# KiCad board q2v2.kicad_pcb (continued)
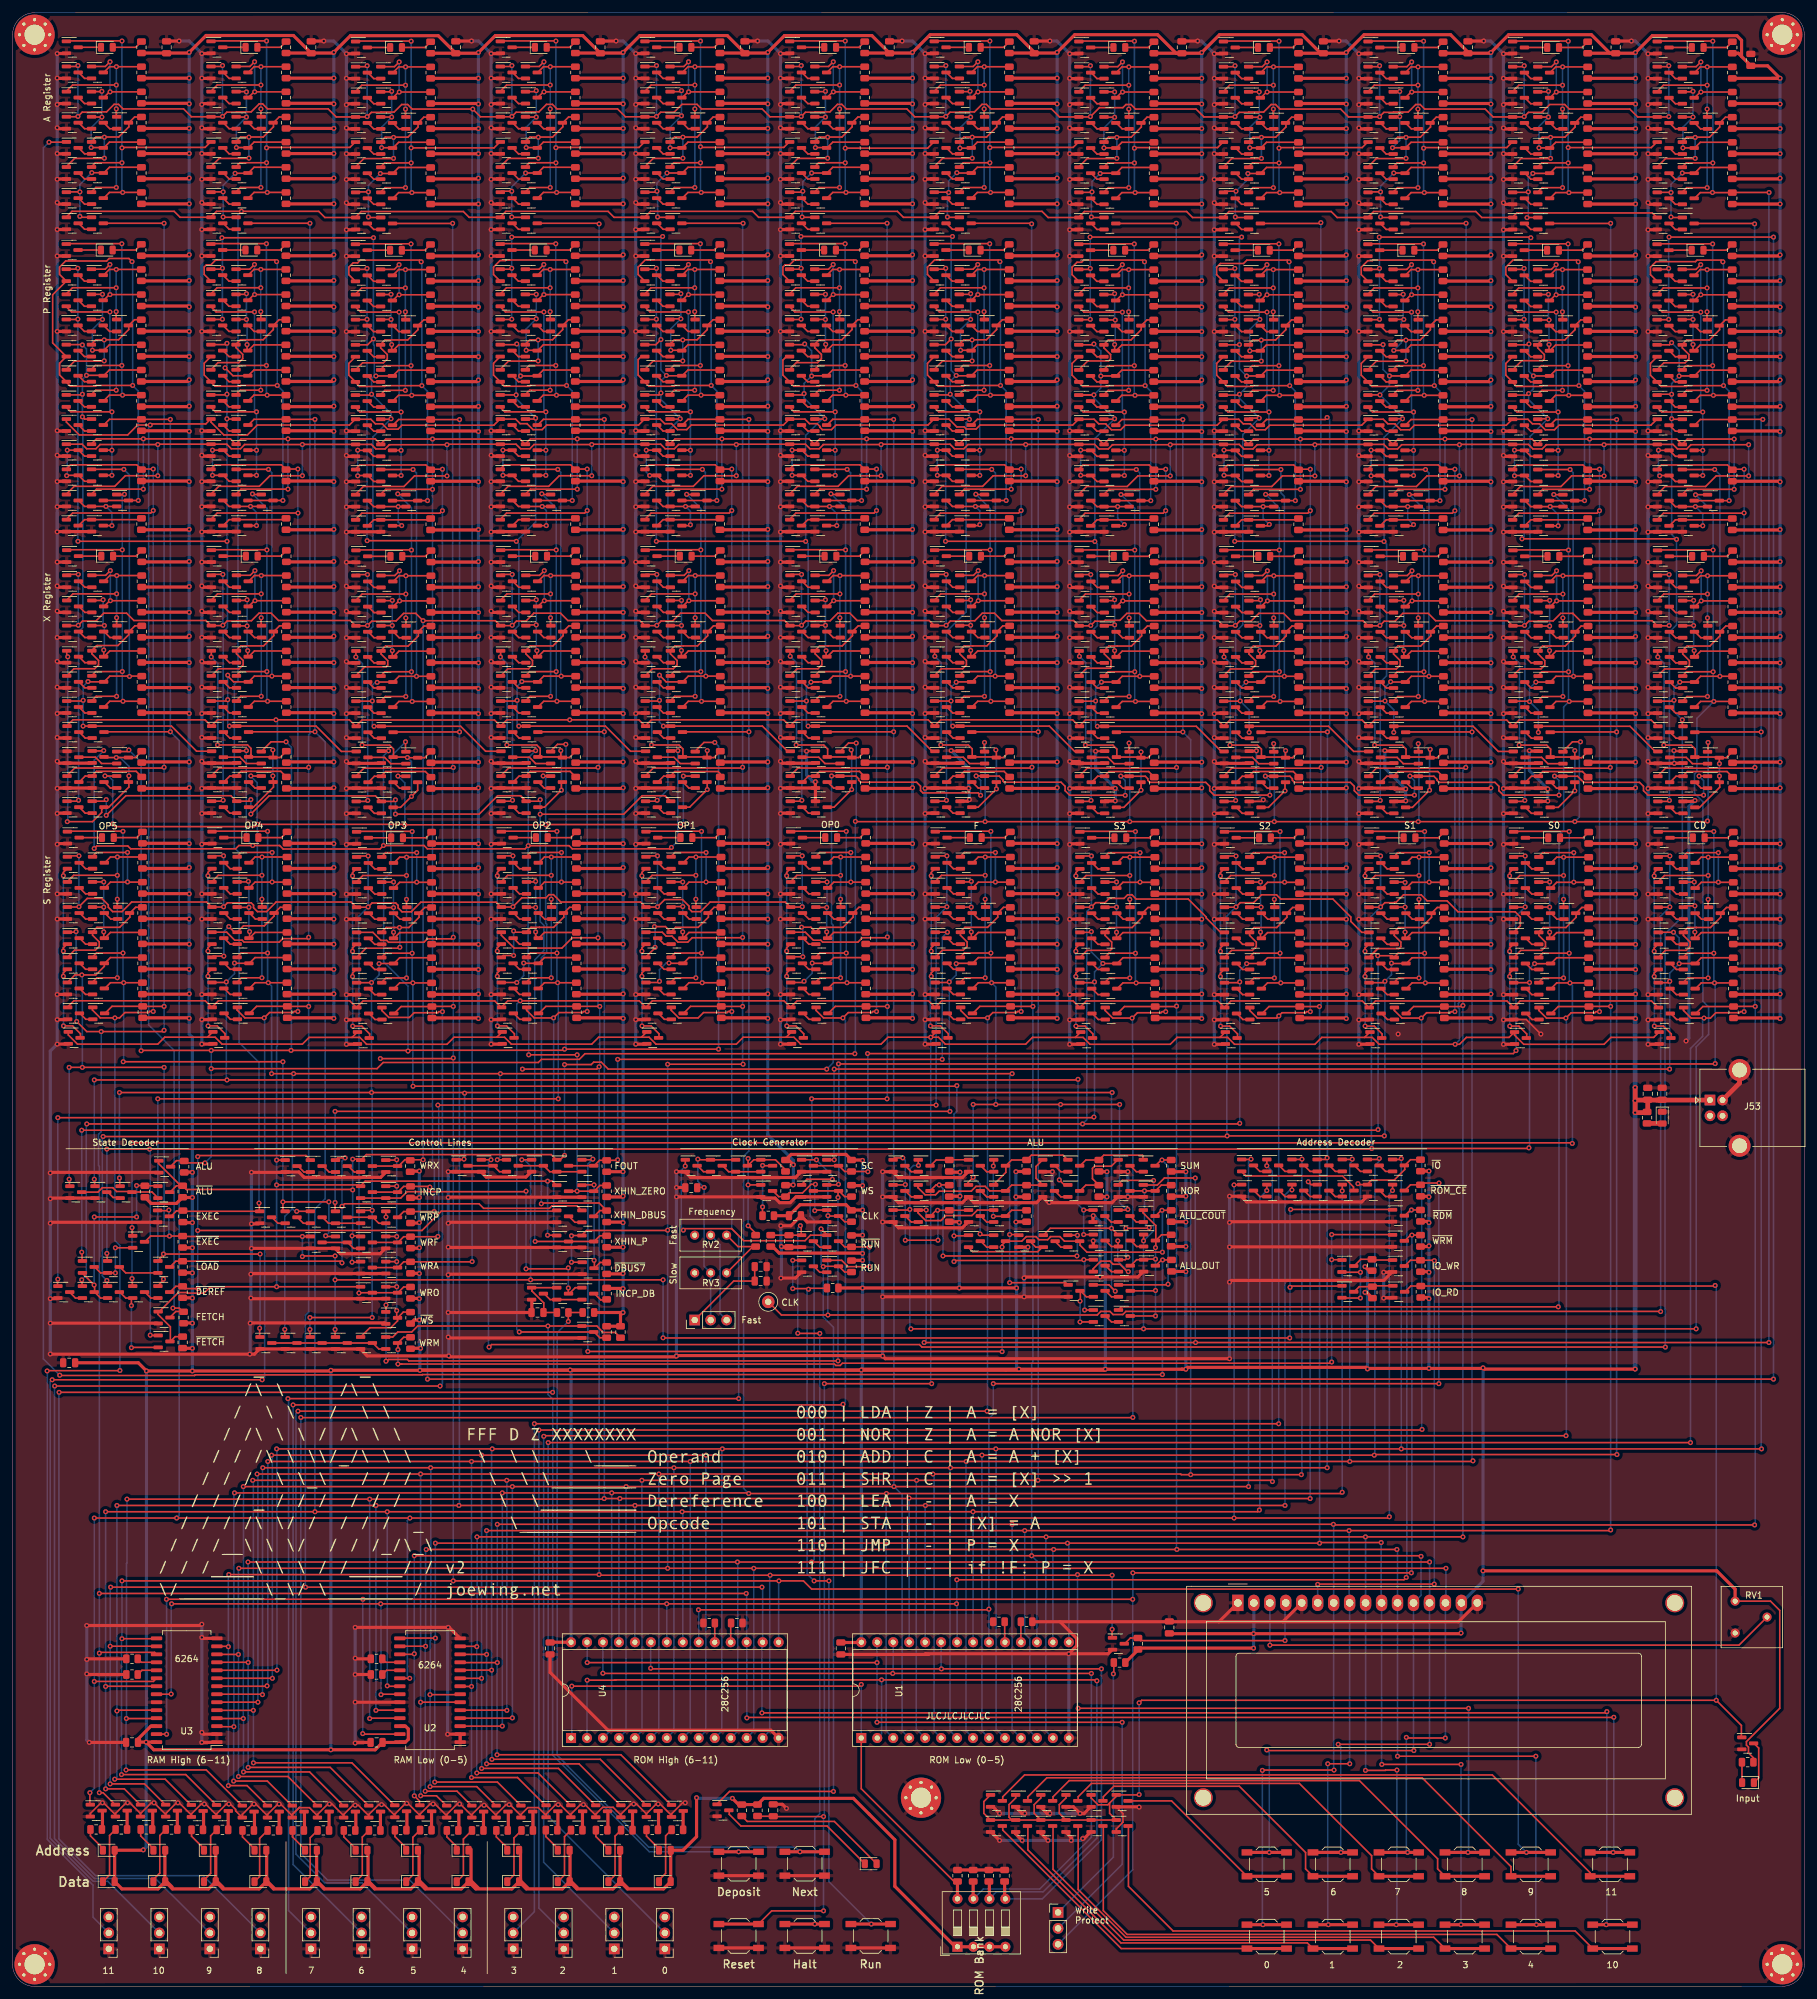
[diagram p0: board, top side]
## Routing (per net, layer and track width the routed paths; a pad name or vN(x,y) marks a point on that pad's centre or on a via; arc(x,y) is an arc through that point) (continued)
Net-(Q752-Pad1): length 39.6
  Top w0.25: v1(177.53,266.44) 177.53,265.19 ; 173.53,253.19 174.28,253.94 v1(177.53,253.94) ; 175.53,272.24 176.44,273.15 v1(177.54,273.15) R317.2 ; v1(177.53,270.24) 170.58,270.24 169.53,269.19
  Bottom w0.25: v1(177.53,253.94) v1(177.53,266.44) v1(177.53,270.24) 177.53,273.14 v1(177.54,273.15)
Net-(Q752-Pad2): length 2.4
  Top w0.25: 173.53,251.29 172.48,251.29 171.53,252.24
Net-(Q753-Pad1): length 18.9
  Top w0.25: 175.53,260.24 176.44,261.15 R319.2 ; v1(175.4,265.14) 173.64,265.14 ; v1(175.3,261.24) 175.3,260.41 ; v1(175.3,269.33) 175.16,269.19 Q753.1
  Bottom w0.25: v1(175.3,269.33) 175.3,265.24 v1(175.4,265.14) 175.4,261.34 v1(175.3,261.24)
Net-(Q753-Pad2): length 2.4
  Top w0.25: 171.53,268.24 172.48,267.29 173.53,267.29
Net-(Q753-Pad3): length 14.5
  Top w0.25: v1(176.53,273.94) 175.78,273.19 173.53,273.19 ; R314.2 v1(176.54,269.15) 176.44,269.15 175.53,268.24
  Bottom w0.25: v1(176.53,273.94) 176.53,269.17 v1(176.54,269.15)
Net-(Q757-Pad2): length 2.4
  Top w0.25: 173.53,255.29 172.48,255.29 171.53,256.24
Net-(Q758-Pad2): length 2.4
  Top w0.25: 171.53,272.24 172.48,271.29 173.53,271.29
Net-(Q759-Pad1): length 18.5
  Top w0.25: R318.2 180.44,265.15 179.53,264.24 179.53,263.59 177.91,261.97 174.31,261.97 173.53,261.19 ; Q759.1 171.03,258.63 174.34,258.63 174.66,258.94 174.66,259.64 173.59,260.71 Q764.1
Net-(Q761-Pad2): length 2.4
  Top w0.25: 177.53,263.29 176.48,263.29 175.53,264.24
Net-(Q762-Pad2): length 2.4
  Top w0.25: 171.53,264.24 172.48,263.29 173.53,263.29
Net-(Q764-Pad2): length 2.4
  Top w0.25: 173.53,259.29 172.48,259.29 171.53,260.24
Net-(Q766-Pad2): length 2.4
  Top w0.25: 207.45,129.68 206.4,129.68 205.45,130.63
Net-(Q767-Pad2): length 2.4
  Top w0.25: 203.45,129.68 202.4,129.68 201.45,130.63
Net-(Q768-Pad1): length 39.6
  Top w0.25: 173.71,159.71 174.46,160.46 v1(177.71,160.46) ; v1(177.71,172.96) 177.71,171.71 ; 169.71,175.71 170.76,176.76 v1(177.71,176.76) ; R324.2 v1(177.72,179.67) 176.62,179.67 175.71,178.76
  Bottom w0.25: v1(177.72,179.67) 177.71,179.66 v1(177.71,176.76) v1(177.71,172.96) v1(177.71,160.46)
Net-(Q768-Pad2): length 2.4
  Top w0.25: 173.71,157.81 172.66,157.81 171.71,158.76
Net-(Q769-Pad1): length 18.9
  Top w0.25: 175.71,166.76 176.62,167.67 R326.2 ; Q769.1 175.58,175.71 v1(175.6,175.73) ; v1(175.6,171.73) 173.79,171.73 ; v1(175.6,167.73) 175.6,166.8
  Bottom w0.25: v1(175.6,175.73) v1(175.6,171.73) v1(175.6,167.73)
Net-(Q769-Pad2): length 2.4
  Top w0.25: 171.71,174.76 172.66,173.81 173.71,173.81
Net-(Q769-Pad3): length 17.1
  Top w0.25: 179.32,175.67 179.32,175.68 v1(179.34,175.7) 179.31,175.7 179.28,175.67 ; 179.32,175.67 R321.2 ; 179.32,175.67 179.28,175.67 ; 175.71,174.76 176.62,175.67 179.28,175.67 ; v1(179.34,180.39) 174.4,180.39 173.71,179.71
  Bottom w0.25: v1(179.34,175.7) v1(179.34,180.39)
Net-(Q773-Pad2): length 2.4
  Top w0.25: 173.71,161.81 172.66,161.81 171.71,162.76
Net-(Q774-Pad2): length 2.4
  Top w0.25: 171.71,178.76 172.66,177.81 173.71,177.81
Net-(Q775-Pad1): length 18.7
  Top w0.25: 173.71,167.71 174.49,168.48 178.09,168.48 179.71,170.11 179.71,170.76 180.62,171.67 R325.2 ; Q775.1 170.91,164.84 174.62,164.84 174.84,165.06 174.84,166.16 173.77,167.22 Q780.1
Net-(Q777-Pad2): length 2.4
  Top w0.25: 177.71,169.81 176.66,169.81 175.71,170.76
Net-(Q778-Pad2): length 2.4
  Top w0.25: 171.71,170.76 172.66,169.81 173.71,169.81
Net-(Q780-Pad2): length 2.4
  Top w0.25: 171.71,166.76 172.66,165.81 173.71,165.81
Net-(Q782-Pad2): length 2.4
  Top w0.25: 196.75,153.85 195.7,153.85 194.75,154.8
Net-(Q784-Pad2): length 2.4
  Top w0.25: 196.55,279.55 195.5,279.55 194.55,280.5
Net-(Q786-Pad1): length 39.6
  Top w0.25: 192.55,301.45 193.6,302.5 v1(200.55,302.5) ; v1(200.55,298.7) 200.55,297.45 ; v1(200.55,286.2) 197.3,286.2 196.55,285.45 ; R333.2 v1(200.56,305.41) 199.46,305.41 198.55,304.5
  Bottom w0.25: v1(200.56,305.41) 200.55,305.4 v1(200.55,302.5) v1(200.55,298.7) v1(200.55,286.2)
Net-(Q786-Pad2): length 2.4
  Top w0.25: 196.55,283.55 195.5,283.55 194.55,284.5
Net-(Q787-Pad1): length 21.1
  Top w0.25: R335.2 199.46,293.41 198.55,292.5 ; v1(198.3,301.43) 198.28,301.45 Q787.1 ; v1(196.8,292.53) 198.46,292.53 ; v1(198.4,297.4) 196.66,297.4
  Bottom w0.25: v1(198.3,301.43) 198.3,297.5 v1(198.4,297.4) 196.8,295.8 v1(196.8,292.53)
Net-(Q787-Pad2): length 2.4
  Top w0.25: 196.55,299.55 195.5,299.55 194.55,300.5
Net-(Q787-Pad3): length 14.5
  Top w0.25: 196.55,305.45 198.8,305.45 v1(199.55,306.2) ; 198.55,300.5 199.46,301.41 v1(199.56,301.41) R330.2
  Bottom w0.25: v1(199.55,306.2) 199.55,301.42 v1(199.56,301.41)
Net-(Q791-Pad2): length 2.4
  Top w0.25: 196.55,287.55 195.5,287.55 194.55,288.5
Net-(Q792-Pad2): length 2.4
  Top w0.25: 196.55,303.55 195.5,303.55 194.55,304.5
Net-(Q793-Pad1): length 20.1
  Top w0.25: 198.68,294.22 200.93,294.22 202.55,295.85 202.55,296.5 203.46,297.41 R334.2 ; 198.68,294.22 197.33,294.22 196.55,293.45 ; 198.68,294.22 v1(198.65,294.2) ; v1(198.65,290.86) 198.61,290.82 193.92,290.82 192.55,289.45
  Bottom w0.25: v1(198.65,294.2) v1(198.65,290.86)
Net-(Q795-Pad2): length 2.4
  Top w0.25: 198.55,296.5 199.5,295.55 200.55,295.55
Net-(Q796-Pad2): length 2.4
  Top w0.25: 194.55,296.5 195.5,295.55 196.55,295.55
Net-(Q798-Pad2): length 2.4
  Top w0.25: 196.55,291.55 195.5,291.55 194.55,292.5
Net-(Q800-Pad2): length 2.3
  Top w0.25: 198.65,191.6 199.6,190.65 200.55,190.65
Net-(Q801-Pad2): length 2.4
  Top w0.25: 196.65,198.6 195.6,198.6 194.65,199.55
Net-(Q802-Pad2): length 2.4
  Top w0.25: 196.65,186.65 195.6,186.65 194.65,187.6
Net-(Q803-Pad2): length 6.4
  Top w0.25: 194.65,195.55 197.23,195.55 198.23,194.55 Q803.2
Net-(Q805-Pad1): length 11
  Top w0.25: R337.2 203.71,193.29 197.4,193.29 196.65,192.55 195.6,192.55 194.65,191.6
Net-(Q810-Pad1): length 39.6
  Top w0.25: v1(200.6,221.54) 193.65,221.54 192.6,220.49 ; v1(200.6,217.74) 200.6,216.49 ; R342.2 v1(200.61,224.45) 199.51,224.45 198.6,223.54 ; 196.6,204.49 197.35,205.24 v1(200.6,205.24)
  Bottom w0.25: v1(200.61,224.45) 200.6,224.44 v1(200.6,221.54) v1(200.6,217.74) v1(200.6,205.24)
Net-(Q810-Pad2): length 2.4
  Top w0.25: 196.6,202.59 195.55,202.59 194.6,203.54
Net-(Q811-Pad1): length 19
  Top w0.25: 198.6,211.54 199.51,212.45 R344.2 ; Q811.1 198.36,220.49 v1(198.5,220.63) ; v1(198.4,212.53) 198.4,211.67 ; v1(198.4,216.53) 196.7,216.53
  Bottom w0.25: v1(198.4,212.53) v1(198.4,216.53) 198.5,216.63 v1(198.5,220.63)
Net-(Q811-Pad2): length 2.4
  Top w0.25: 196.6,218.59 195.55,218.59 194.6,219.54
Net-(Q811-Pad3): length 14.5
  Top w0.25: R339.2 v1(199.61,220.45) 199.51,220.45 198.6,219.54 ; 196.6,224.49 198.85,224.49 v1(199.6,225.24)
  Bottom w0.25: v1(199.61,220.45) 199.6,220.46 v1(199.6,225.24)
Net-(Q815-Pad2): length 2.4
  Top w0.25: 196.6,206.59 195.55,206.59 194.6,207.54
Net-(Q816-Pad2): length 2.4
  Top w0.25: 194.6,223.54 195.55,222.59 196.6,222.59
Net-(Q817-Pad1): length 18.6
  Top w0.25: 196.6,212.49 197.38,213.26 200.97,213.26 202.6,214.89 202.6,215.54 203.51,216.45 R343.2 ; 192.6,208.49 193.74,209.62 197.11,209.62 197.73,210.24 197.73,210.94 196.66,212 Q822.1
Net-(Q819-Pad2): length 2.4
  Top w0.25: 200.6,214.59 199.55,214.59 198.6,215.54
Net-(Q820-Pad2): length 2.4
  Top w0.25: 194.6,215.54 195.55,214.59 196.6,214.59
Net-(Q822-Pad2): length 2.4
  Top w0.25: 194.6,211.54 195.55,210.59 196.6,210.59
Net-(Q824-Pad2): length 2.4
  Top w0.25: 194.55,248.4 195.5,247.45 196.55,247.45
Net-(Q826-Pad2): length 12.4
  Top w0.25: 196.55,239.45 195.5,239.45 194.55,240.4 ; 196.55,243.45 195.5,243.45 194.55,244.4 ; v1(192.7,240.43) 192.73,240.4 Q831.3 ; v1(192.7,244.43) 192.73,244.4 Q830.3
  Bottom w0.25: v1(192.7,240.43) v1(192.7,244.43)
Net-(Q828-Pad2): length 11.1
  Top w0.25: 200.55,235.45 v1(198.92,235.45) 195.5,235.45 194.55,236.4 ; 198.55,232.4 199.67,232.4 199.9,232.62 v1(199.9,232.62)
  Bottom w0.25: v1(198.92,235.45) 198.92,233.6 v1(199.9,232.62)
Net-(Q833-Pad1): length 10.2
  Top w0.25: 204.34,233.35 195.5,233.35 194.55,232.4
Net-(Q835-Pad1): length 39.6
  Top w0.25: v1(200.53,270.24) 193.58,270.24 192.53,269.19 ; R351.2 v1(200.54,273.15) 199.44,273.15 198.53,272.24 ; 196.53,253.19 197.28,253.94 v1(200.53,253.94) ; v1(200.53,266.44) 200.53,265.19
  Bottom w0.25: v1(200.54,273.15) 200.53,273.14 v1(200.53,270.24) v1(200.53,266.44) v1(200.53,253.94)
Net-(Q835-Pad2): length 2.4
  Top w0.25: 196.53,251.29 195.48,251.29 194.53,252.24
Net-(Q836-Pad1): length 21.2
  Top w0.25: 198.53,260.24 199.44,261.15 R353.2 ; Q836.1 198.26,269.19 v1(198.3,269.23) ; v1(196.8,260.23) 198.45,260.23 ; v1(198.4,265.23) 196.63,265.23
  Bottom w0.25: v1(196.8,260.23) 196.8,263.63 v1(198.4,265.23) 198.3,265.33 v1(198.3,269.23)
Net-(Q836-Pad2): length 2.4
  Top w0.25: 196.53,267.29 195.48,267.29 194.53,268.24
Net-(Q836-Pad3): length 14.5
  Top w0.25: v1(199.53,273.94) 198.78,273.19 196.53,273.19 ; R348.2 v1(199.54,269.15) 199.44,269.15 198.53,268.24
  Bottom w0.25: v1(199.53,273.94) 199.53,269.17 v1(199.54,269.15)
Net-(Q840-Pad2): length 2.4
  Top w0.25: 194.53,256.24 195.48,255.29 196.53,255.29
Net-(Q841-Pad2): length 2.4
  Top w0.25: 196.53,271.29 195.48,271.29 194.53,272.24
Net-(Q842-Pad1): length 20.1
  Top w0.25: R352.2 203.44,265.15 202.53,264.24 202.53,263.59 200.91,261.97 198.66,261.97 ; v1(198.63,258.6) 198.59,258.57 193.9,258.57 192.53,257.19 ; 198.66,261.97 v1(198.63,261.94) ; 198.66,261.97 197.31,261.97 196.53,261.19
  Bottom w0.25: v1(198.63,261.94) v1(198.63,258.6)
Net-(Q844-Pad2): length 2.4
  Top w0.25: 200.53,263.29 199.48,263.29 198.53,264.24
Net-(Q845-Pad2): length 2.4
  Top w0.25: 196.53,263.29 195.48,263.29 194.53,264.24
Net-(Q847-Pad2): length 2.4
  Top w0.25: 194.53,260.24 195.48,259.29 196.53,259.29
Net-(Q849-Pad2): length 2.4
  Top w0.25: 197.45,130.63 198.4,129.68 199.45,129.68
Net-(Q850-Pad2): length 19.3
  Top w0.25: 213.3,126.78 213.3,127.2 211.55,128.95 196.18,128.95 195.45,129.68
Net-(Q851-Pad1): length 39.6
  Top w0.25: R358.2 v1(200.72,179.67) 199.62,179.67 198.71,178.76 ; v1(200.71,176.76) 193.76,176.76 192.71,175.71 ; 196.71,159.71 197.46,160.46 v1(200.71,160.46) ; v1(200.71,172.96) 200.71,171.71
  Bottom w0.25: v1(200.71,160.46) v1(200.71,172.96) v1(200.71,176.76) 200.71,179.66 v1(200.72,179.67)
Net-(Q851-Pad2): length 2.4
  Top w0.25: 194.71,158.76 195.66,157.81 196.71,157.81
Net-(Q852-Pad1): length 18.8
  Top w0.25: 198.71,166.76 199.62,167.67 R360.2 ; v1(198.5,167.76) 198.5,166.9 ; v1(198.6,171.73) 196.79,171.73 ; Q852.1 198.48,175.71 v1(198.5,175.73)
  Bottom w0.25: v1(198.5,167.76) 198.6,167.86 v1(198.6,171.73) 198.5,171.83 v1(198.5,175.73)
Net-(Q852-Pad2): length 2.4
  Top w0.25: 194.71,174.76 195.66,173.81 196.71,173.81
Net-(Q852-Pad3): length 17.1
  Top w0.25: 196.71,179.71 197.4,180.39 v1(202.34,180.39) ; 202.28,175.67 199.62,175.67 198.71,174.76 ; 202.28,175.67 202.31,175.7 v1(202.34,175.7) 202.32,175.68 202.32,175.67 ; 202.28,175.67 202.32,175.67 ; R355.2 202.32,175.67
  Bottom w0.25: v1(202.34,175.7) v1(202.34,180.39)
Net-(Q856-Pad2): length 2.4
  Top w0.25: 196.71,161.81 195.66,161.81 194.71,162.76
Net-(Q857-Pad2): length 2.4
  Top w0.25: 196.71,177.81 195.66,177.81 194.71,178.76
Net-(Q858-Pad1): length 18.5
  Top w0.25: R359.2 203.62,171.67 202.71,170.76 202.71,170.11 201.09,168.48 197.49,168.48 196.71,167.71 ; Q863.1 196.77,167.22 197.84,166.16 197.84,165.46 197.22,164.84 193.91,164.84 Q858.1
Net-(Q860-Pad2): length 2.4
  Top w0.25: 200.71,169.81 199.66,169.81 198.71,170.76
Net-(Q861-Pad2): length 2.4
  Top w0.25: 196.71,169.81 195.66,169.81 194.71,170.76
Net-(Q863-Pad2): length 2.4
  Top w0.25: 194.71,166.76 195.66,165.81 196.71,165.81
Net-(Q865-Pad2): length 2.4
  Top w0.25: 219.75,153.85 218.7,153.85 217.75,154.8
Net-(Q867-Pad2): length 2.4
  Top w0.25: 219.55,279.55 218.5,279.55 217.55,280.5
Net-(Q869-Pad1): length 39.6
  Top w0.25: v1(223.55,298.7) 223.55,297.45 ; 219.55,285.45 220.3,286.2 v1(223.55,286.2) ; 221.55,304.5 222.46,305.41 v1(223.56,305.41) R367.2 ; 215.55,301.45 216.6,302.5 v1(223.55,302.5)
  Bottom w0.25: v1(223.55,286.2) v1(223.55,298.7) v1(223.55,302.5) 223.55,305.4 v1(223.56,305.41)
Net-(Q869-Pad2): length 2.4
  Top w0.25: 219.55,283.55 218.5,283.55 217.55,284.5
Net-(Q870-Pad1): length 19.9
  Top w0.25: v1(220.65,301.5) 220.6,301.45 219.55,301.45 ; R369.2 222.46,293.41 221.55,292.5 ; v1(220.65,297.5) 219.6,297.5 ; v1(219.5,292.55) 221.44,292.55
  Bottom w0.25: v1(220.65,301.5) v1(220.65,297.5) 220.65,293.7 v1(219.5,292.55)
Net-(Q870-Pad2): length 2.4
  Top w0.25: 217.55,300.5 218.5,299.55 219.55,299.55
Net-(Q870-Pad3): length 14.5
  Top w0.25: v1(222.55,306.2) 221.8,305.45 219.55,305.45 ; R364.2 v1(222.56,301.41) 222.46,301.41 221.55,300.5
  Bottom w0.25: v1(222.55,306.2) 222.55,301.42 v1(222.56,301.41)
Net-(Q874-Pad2): length 2.4
  Top w0.25: 219.55,287.55 218.5,287.55 217.55,288.5
Net-(Q875-Pad2): length 2.4
  Top w0.25: 217.55,304.5 218.5,303.55 219.55,303.55
Net-(Q876-Pad1): length 20.1
  Top w0.25: v1(221.65,290.86) 221.61,290.82 216.92,290.82 215.55,289.45 ; 221.68,294.22 v1(221.65,294.2) ; 221.68,294.22 223.93,294.22 225.55,295.85 225.55,296.5 226.46,297.41 R368.2 ; 221.68,294.22 220.33,294.22 219.55,293.45
  Bottom w0.25: v1(221.65,294.2) v1(221.65,290.86)
Net-(Q878-Pad2): length 2.4
  Top w0.25: 223.55,295.55 222.5,295.55 221.55,296.5
Net-(Q879-Pad2): length 2.4
  Top w0.25: 217.55,296.5 218.5,295.55 219.55,295.55
Net-(Q881-Pad2): length 2.4
  Top w0.25: 219.55,291.55 218.5,291.55 217.55,292.5
Net-(Q883-Pad2): length 2.3
  Top w0.25: 221.65,191.6 222.6,190.65 223.55,190.65
Net-(Q884-Pad2): length 2.4
  Top w0.25: 219.65,198.6 218.6,198.6 217.65,199.55
Net-(Q885-Pad2): length 2.4
  Top w0.25: 219.65,186.65 218.6,186.65 217.65,187.6
Net-(Q886-Pad2): length 6.4
  Top w0.25: 221.23,194.55 220.23,195.55 217.65,195.55 ; 221.19,194.55 223.55,194.55
Net-(Q888-Pad1): length 11
  Top w0.25: R371.2 226.71,193.29 220.4,193.29 219.65,192.55 218.6,192.55 217.65,191.6
Net-(Q893-Pad1): length 39.6
  Top w0.25: v1(223.6,217.74) 223.6,216.49 ; 219.6,204.49 220.35,205.24 v1(223.6,205.24) ; 221.6,223.54 222.51,224.45 v1(223.61,224.45) R376.2 ; v1(223.6,221.54) 216.65,221.54 215.6,220.49
  Bottom w0.25: v1(223.61,224.45) 223.6,224.44 v1(223.6,221.54) v1(223.6,217.74) v1(223.6,205.24)
Net-(Q893-Pad2): length 2.4
  Top w0.25: 217.6,203.54 218.55,202.59 219.6,202.59
Net-(Q894-Pad1): length 18.7
  Top w0.25: 221.6,211.54 222.51,212.45 R378.2 ; v1(221.3,212.54) 221.3,211.77 Q905.3 ; Q894.1 221.26,220.49 v1(221.3,220.53) ; v1(221.3,216.53) 219.7,216.53
  Bottom w0.25: v1(221.3,220.53) v1(221.3,216.53) v1(221.3,212.54)
Net-(Q894-Pad2): length 2.4
  Top w0.25: 219.6,218.59 218.55,218.59 217.6,219.54
Net-(Q894-Pad3): length 14.5
  Top w0.25: 219.6,224.49 221.85,224.49 v1(222.6,225.24) ; R373.2 v1(222.61,220.45) 222.51,220.45 221.6,219.54
  Bottom w0.25: v1(222.6,225.24) 222.6,220.46 v1(222.61,220.45)
Net-(Q898-Pad2): length 2.4
  Top w0.25: 219.6,206.59 218.55,206.59 217.6,207.54
Net-(Q899-Pad2): length 2.4
  Top w0.25: 217.6,223.54 218.55,222.59 219.6,222.59
Net-(Q900-Pad1): length 18.5
  Top w0.25: 219.6,212.49 220.38,213.26 223.98,213.26 225.6,214.89 225.6,215.54 226.51,216.45 R377.2 ; Q900.1 216.8,209.62 220.11,209.62 220.73,210.24 220.73,210.94 219.66,212 Q905.1
Net-(Q902-Pad2): length 2.4
  Top w0.25: 223.6,214.59 222.55,214.59 221.6,215.54
Net-(Q903-Pad2): length 2.4
  Top w0.25: 219.6,214.59 218.55,214.59 217.6,215.54
Net-(Q905-Pad2): length 2.4
  Top w0.25: 217.6,211.54 218.55,210.59 219.6,210.59
Net-(Q907-Pad2): length 2.4
  Top w0.25: 219.55,247.45 218.5,247.45 217.55,248.4
Net-(Q909-Pad2): length 13
  Top w0.25: 216.45,240.3 217.45,240.3 ; 219.55,243.45 218.5,243.45 217.55,244.4 ; 219.55,239.45 218.5,239.45 217.55,240.4 ; v1(216.1,244.43) 216.13,244.4 Q913.3 ; Q914.3 216.15,240.4 v1(216.1,240.35)
  Bottom w0.25: 216.1,243.73 216.1,243.73 v1(216.1,244.43) ; 216.1,243.73 v1(216.1,240.35) ; 216.1,243.73 216.1,244.05
Net-(Q911-Pad2): length 11.3
  Top w0.25: 217.55,236.4 218.5,235.45 Q912.2 ; v1(222.85,232.58) 222.67,232.4 221.55,232.4
  Bottom w0.25: 222.85,232.4 v1(222.85,232.58) 221.92,233.51 v1(221.92,235.45)
Net-(Q916-Pad1): length 10.2
  Top w0.25: 217.55,232.4 218.5,233.35 227.34,233.35
Net-(Q918-Pad1): length 39.6
  Top w0.25: R385.2 v1(223.54,273.15) 222.44,273.15 221.53,272.24 ; v1(223.53,270.24) 216.58,270.24 215.53,269.19 ; v1(223.53,266.44) 223.53,265.19 ; 219.53,253.19 220.28,253.94 v1(223.53,253.94)
  Bottom w0.25: v1(223.54,273.15) 223.53,273.14 v1(223.53,270.24) v1(223.53,266.44) v1(223.53,253.94)
Net-(Q918-Pad2): length 2.4
  Top w0.25: 217.53,252.24 218.48,251.29 219.53,251.29
Net-(Q919-Pad1): length 21
  Top w0.25: R387.2 222.44,261.15 221.53,260.24 ; Q919.1 221.17,269.19 v1(221.2,269.23) ; v1(219.7,260.29) 221.42,260.29 ; v1(221.3,265.23) 219.63,265.23
  Bottom w0.25: v1(221.2,269.23) 221.2,265.33 v1(221.3,265.23) 220.9,264.83 220.9,261.5 v1(219.7,260.29)
Net-(Q919-Pad2): length 2.4
  Top w0.25: 217.53,268.24 218.48,267.29 219.53,267.29
Net-(Q919-Pad3): length 14.5
  Top w0.25: R382.2 v1(222.54,269.15) 222.44,269.15 221.53,268.24 ; v1(222.53,273.94) 221.78,273.19 219.53,273.19
  Bottom w0.25: v1(222.54,269.15) 222.53,269.17 v1(222.53,273.94)
Net-(Q923-Pad2): length 2.4
  Top w0.25: 219.53,255.29 218.48,255.29 217.53,256.24
Net-(Q924-Pad2): length 2.4
  Top w0.25: 219.53,271.29 218.48,271.29 217.53,272.24
Net-(Q925-Pad1): length 20.1
  Top w0.25: 215.53,257.19 216.9,258.57 221.59,258.57 v1(221.63,258.6) ; 221.66,261.97 223.9,261.97 225.53,263.59 225.53,264.24 226.44,265.15 R386.2 ; 221.66,261.97 220.31,261.97 219.53,261.19 ; 221.66,261.97 v1(221.63,261.94)
  Bottom w0.25: v1(221.63,261.94) v1(221.63,258.6)
Net-(Q927-Pad2): length 2.4
  Top w0.25: 223.53,263.29 222.48,263.29 221.53,264.24
Net-(Q928-Pad2): length 2.4
  Top w0.25: 217.53,264.24 218.48,263.29 219.53,263.29
Net-(Q930-Pad2): length 2.4
  Top w0.25: 219.53,259.29 218.48,259.29 217.53,260.24
Net-(Q932-Pad2): length 2.4
  Top w0.25: 211.45,125.68 210.4,125.68 209.45,126.63
Net-(Q934-Pad1): length 39.6
  Top w0.25: v1(223.71,176.76) 216.76,176.76 215.71,175.71 ; v1(223.71,172.96) 223.71,171.71 ; 221.71,178.76 222.62,179.67 v1(223.72,179.67) R392.2 ; 219.71,159.71 220.46,160.46 v1(223.71,160.46)
  Bottom w0.25: v1(223.71,160.46) v1(223.71,172.96) v1(223.71,176.76) 223.71,179.66 v1(223.72,179.67)
Net-(Q934-Pad2): length 2.4
  Top w0.25: 219.71,157.81 218.66,157.81 217.71,158.76
Net-(Q935-Pad1): length 18.6
  Top w0.25: R394.2 222.62,167.67 221.71,166.76 ; v1(221.5,175.66) 221.45,175.71 Q935.1 ; v1(221.5,167.76) 221.5,166.9 ; v1(221.5,171.73) 219.79,171.73
  Bottom w0.25: v1(221.5,167.76) v1(221.5,171.73) v1(221.5,175.66)
Net-(Q935-Pad2): length 2.4
  Top w0.25: 219.71,173.81 218.66,173.81 217.71,174.76
Net-(Q935-Pad3): length 17.1
  Top w0.25: R389.2 225.32,175.67 ; 225.32,175.67 225.32,175.68 v1(225.34,175.7) 225.31,175.7 225.28,175.67 ; 225.32,175.67 225.28,175.67 ; 219.71,179.71 220.4,180.39 v1(225.34,180.39) ; 221.71,174.76 222.62,175.67 225.28,175.67
  Bottom w0.25: v1(225.34,175.7) v1(225.34,180.39)
Net-(Q939-Pad2): length 2.4
  Top w0.25: 219.71,161.81 218.66,161.81 217.71,162.76
Net-(Q940-Pad2): length 2.4
  Top w0.25: 217.71,178.76 218.66,177.81 219.71,177.81
Net-(Q941-Pad1): length 20.4
  Top w0.25: R393.2 226.62,171.67 225.71,170.76 225.71,170.11 224.09,168.48 220.49,168.48 219.71,167.71 ; 217.08,165.08 215.71,163.71 ; Q946.1 219.77,167.22 220.84,166.16 220.84,165.46 220.5,165.13 217.19,165.13 Q941.1
Net-(Q943-Pad2): length 2.4
  Top w0.25: 223.71,169.81 222.66,169.81 221.71,170.76
Net-(Q944-Pad2): length 2.4
  Top w0.25: 217.71,170.76 218.66,169.81 219.71,169.81
Net-(Q946-Pad2): length 2.4
  Top w0.25: 219.71,165.81 218.66,165.81 217.71,166.76
Net-(Q948-Pad2): length 2.4
  Top w0.25: 242.75,153.85 241.7,153.85 240.75,154.8
Net-(Q950-Pad2): length 2.4
  Top w0.25: 240.55,280.5 241.5,279.55 242.55,279.55
Net-(Q952-Pad1): length 39.6
  Top w0.25: v1(246.55,302.5) 239.6,302.5 238.55,301.45 ; 242.55,285.45 243.3,286.2 v1(246.55,286.2) ; 244.55,304.5 245.46,305.41 v1(246.56,305.41) R401.2 ; v1(246.55,298.7) 246.55,297.45
  Bottom w0.25: v1(246.55,286.2) v1(246.55,298.7) v1(246.55,302.5) 246.55,305.4 v1(246.56,305.41)
Net-(Q952-Pad2): length 2.4
  Top w0.25: 240.55,284.5 241.5,283.55 242.55,283.55
Net-(Q953-Pad1): length 21
  Top w0.25: R403.2 245.46,293.41 244.55,292.5 ; v1(244.3,301.53) 244.22,301.45 Q953.1 ; v1(242.8,292.53) 244.46,292.53 ; v1(244.3,297.43) 242.63,297.43
  Bottom w0.25: v1(244.3,301.53) v1(244.3,297.43) 242.8,295.93 v1(242.8,292.53)
Net-(Q953-Pad2): length 2.4
  Top w0.25: 242.55,299.55 241.5,299.55 240.55,300.5
Net-(Q953-Pad3): length 14.5
  Top w0.25: 242.55,305.45 244.8,305.45 v1(245.55,306.2) ; 244.55,300.5 245.46,301.41 v1(245.56,301.41) R398.2
  Bottom w0.25: v1(245.55,306.2) 245.55,301.42 v1(245.56,301.41)
Net-(Q957-Pad2): length 2.4
  Top w0.25: 240.55,288.5 241.5,287.55 242.55,287.55
Net-(Q958-Pad2): length 2.4
  Top w0.25: 242.55,303.55 241.5,303.55 240.55,304.5
Net-(Q959-Pad1): length 20.1
  Top w0.25: v1(244.65,290.86) 244.61,290.82 239.92,290.82 238.55,289.45 ; R402.2 249.46,297.41 248.55,296.5 248.55,295.85 246.93,294.22 244.68,294.22 ; 244.68,294.22 v1(244.65,294.2) ; 244.68,294.22 243.33,294.22 242.55,293.45
  Bottom w0.25: v1(244.65,294.2) v1(244.65,290.86)
Net-(Q961-Pad2): length 2.4
  Top w0.25: 246.55,295.55 245.5,295.55 244.55,296.5
Net-(Q962-Pad2): length 2.4
  Top w0.25: 242.55,295.55 241.5,295.55 240.55,296.5
Net-(Q964-Pad2): length 2.4
  Top w0.25: 240.55,292.5 241.5,291.55 242.55,291.55
Net-(Q966-Pad2): length 2.3
  Top w0.25: 246.55,190.65 245.6,190.65 244.65,191.6
Net-(Q967-Pad2): length 2.4
  Top w0.25: 242.65,198.6 241.6,198.6 240.65,199.55
Net-(Q968-Pad2): length 2.4
  Top w0.25: 242.65,186.65 241.6,186.65 240.65,187.6
Net-(Q969-Pad2): length 6.4
  Top w0.25: Q974.3 243.22,195.55 244.22,194.55 Q969.2
Net-(Q971-Pad1): length 11
  Top w0.25: 240.65,191.6 241.6,192.55 242.65,192.55 243.4,193.29 249.71,193.29 R405.2
Net-(Q976-Pad1): length 39.6
  Top w0.25: 244.6,223.54 245.51,224.45 v1(246.61,224.45) R410.2 ; v1(246.6,217.74) 246.6,216.49 ; 242.6,204.49 243.35,205.24 v1(246.6,205.24) ; 238.6,220.49 239.65,221.54 v1(246.6,221.54)
  Bottom w0.25: v1(246.61,224.45) 246.6,224.44 v1(246.6,221.54) v1(246.6,217.74) v1(246.6,205.24)
Net-(Q976-Pad2): length 2.4
  Top w0.25: 242.6,202.59 241.55,202.59 240.6,203.54
Net-(Q977-Pad1): length 19
  Top w0.25: R412.2 245.51,212.45 244.6,211.54 ; v1(244.48,212.54) 244.48,211.59 ; Q977.1 244.46,220.49 v1(244.5,220.53) ; v1(244.5,216.44) 242.71,216.44
  Bottom w0.25: v1(244.48,212.54) 244.5,212.55 v1(244.5,216.44) v1(244.5,220.53)
Net-(Q977-Pad2): length 2.4
  Top w0.25: 242.6,218.59 241.55,218.59 240.6,219.54
Net-(Q977-Pad3): length 14.5
  Top w0.25: v1(245.6,225.24) 244.85,224.49 242.6,224.49 ; 244.6,219.54 245.51,220.45 v1(245.61,220.45) R407.2
  Bottom w0.25: v1(245.6,225.24) 245.6,220.46 v1(245.61,220.45)
Net-(Q981-Pad2): length 2.4
  Top w0.25: 242.6,206.59 241.55,206.59 240.6,207.54
Net-(Q982-Pad2): length 2.4
  Top w0.25: 240.6,223.54 241.55,222.59 242.6,222.59
Net-(Q983-Pad1): length 18.6
  Top w0.25: 244.73,213.26 243.38,213.26 242.6,212.49 ; 244.73,213.26 244.7,213.24 ; 244.73,213.26 246.98,213.26 248.6,214.89 248.6,215.54 249.51,216.45 R411.2 ; 238.6,208.49 239.74,209.62 243.11,209.62 243.73,210.24 243.73,210.94 242.66,212 Q988.1
Net-(Q985-Pad2): length 2.4
  Top w0.25: 244.6,215.54 245.55,214.59 246.6,214.59
Net-(Q986-Pad2): length 2.4
  Top w0.25: 240.6,215.54 241.55,214.59 242.6,214.59
Net-(Q988-Pad2): length 2.4
  Top w0.25: 242.6,210.59 241.55,210.59 240.6,211.54
Net-(Q990-Pad2): length 2.4
  Top w0.25: 240.55,248.4 241.5,247.45 242.55,247.45
Net-(Q992-Pad2): length 12.1
  Top w0.25: 240.55,240.4 241.5,239.45 242.55,239.45 ; 240.55,244.4 241.5,243.45 242.55,243.45 ; v1(238.9,244.43) 238.93,244.4 Q996.3 ; Q997.3 238.95,240.4 v1(238.9,240.35)
  Bottom w0.25: v1(238.9,240.35) v1(238.9,244.43)
Net-(Q994-Pad2): length 11.3
  Top w0.25: 246.55,235.45 v1(244.58,235.45) 241.5,235.45 240.55,236.4 ; 244.55,232.4 v1(245.85,232.4)
  Bottom w0.25: v1(245.85,232.4) 245.85,234.18 v1(244.58,235.45)
Net-(Q1000-Pad3): length 10.2
  Top w0.25: 250.34,233.35 241.5,233.35 240.55,232.4
Net-(Q1001-Pad1): length 39.6
  Top w0.25: 238.53,269.19 239.58,270.24 v1(246.53,270.24) ; 242.53,253.19 243.28,253.94 v1(246.53,253.94) ; v1(246.53,266.44) 246.53,265.19 ; 244.53,272.24 245.44,273.15 v1(246.54,273.15) R419.2
  Bottom w0.25: v1(246.53,253.94) v1(246.53,266.44) v1(246.53,270.24) 246.53,273.14 v1(246.54,273.15)
Net-(Q1001-Pad2): length 2.4
  Top w0.25: 242.53,251.29 241.48,251.29 240.53,252.24
Net-(Q1002-Pad1): length 18.8
  Top w0.25: 244.53,260.24 245.44,261.15 R421.2 ; v1(244.4,265.14) 242.64,265.14 ; v1(244.3,269.23) 244.26,269.19 Q1002.1 ; v1(244.4,261.24) 244.4,260.31
  Bottom w0.25: v1(244.3,269.23) 244.3,265.24 v1(244.4,265.14) v1(244.4,261.24)
Net-(Q1002-Pad2): length 2.4
  Top w0.25: 240.53,268.24 241.48,267.29 242.53,267.29
Net-(Q1002-Pad3): length 14.5
  Top w0.25: 244.53,268.24 245.44,269.15 v1(245.54,269.15) R416.2 ; v1(245.53,273.94) 244.78,273.19 242.53,273.19
  Bottom w0.25: v1(245.53,273.94) 245.53,269.17 v1(245.54,269.15)
